# Altium PCB EEM_PWR_MOD_AC.pcbdoc
Units mm, origin at the board's own origin, x right, y up, seen from the top; angles counter-clockwise.
Board outline 187 x 100 mm, 2 copper layers (Top Layer, Bottom Layer), stack 1.62 mm thick; 80 components, 36 nets, 175 pads, 154 vias.
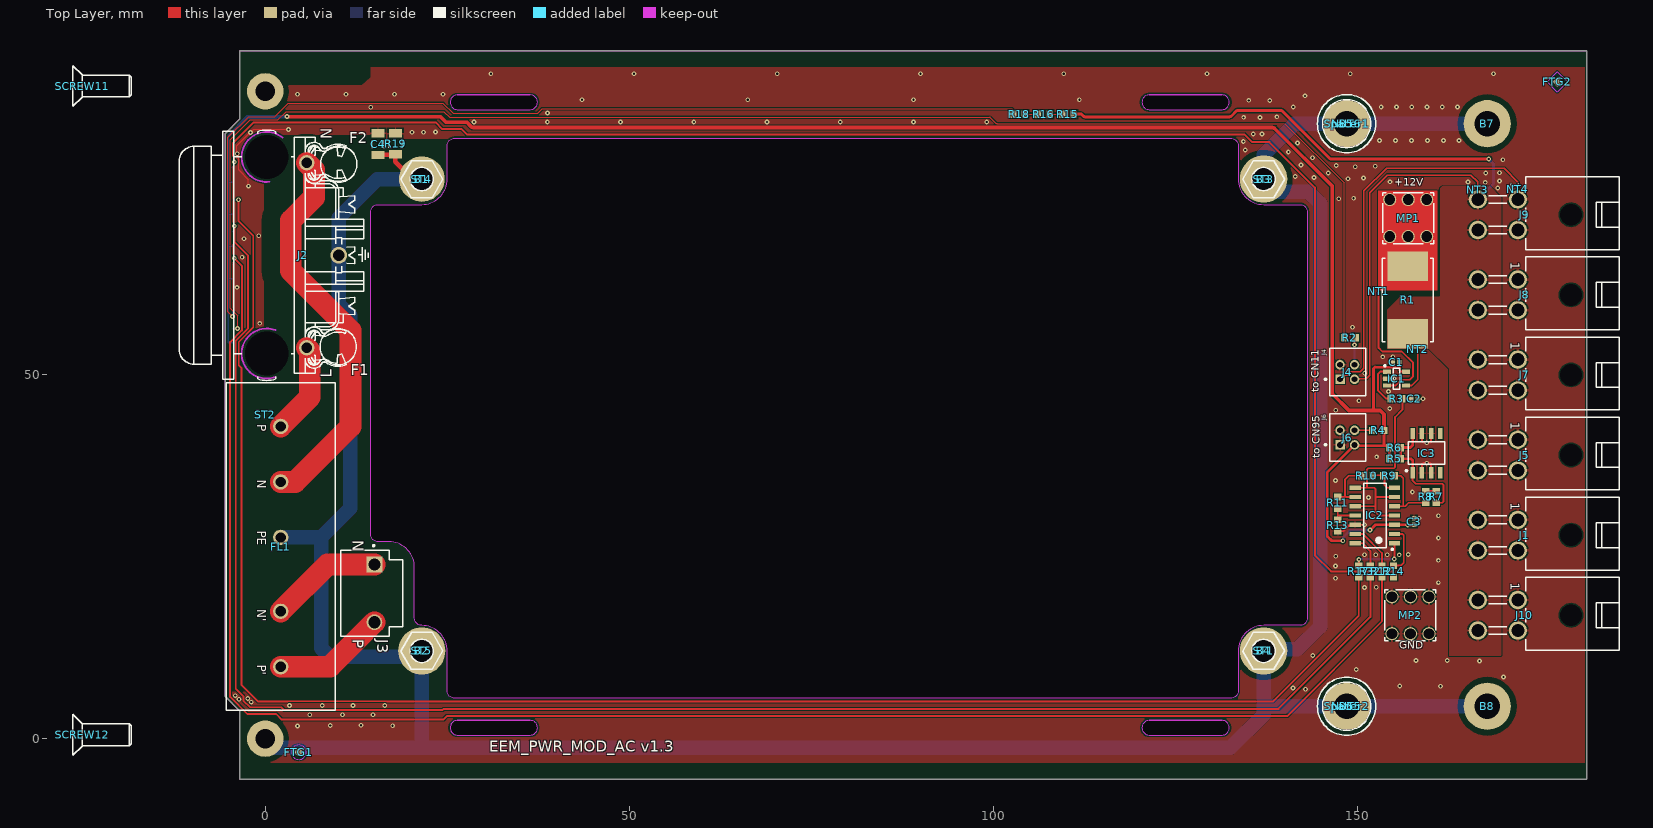
[diagram p0: Top Layer view]
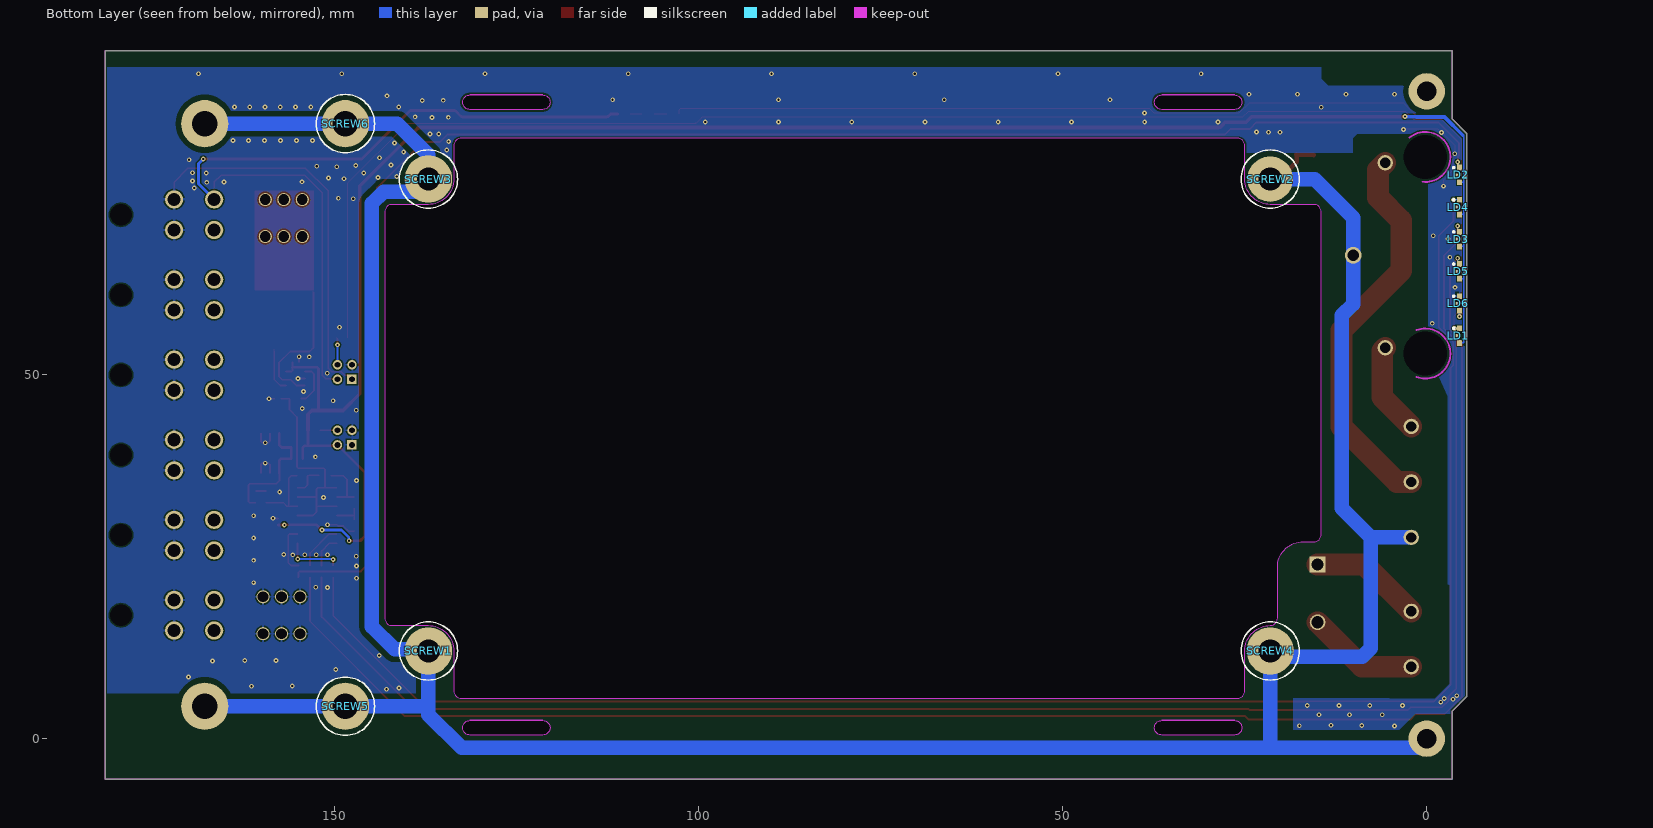
[diagram p1: Bottom Layer view, seen from below]
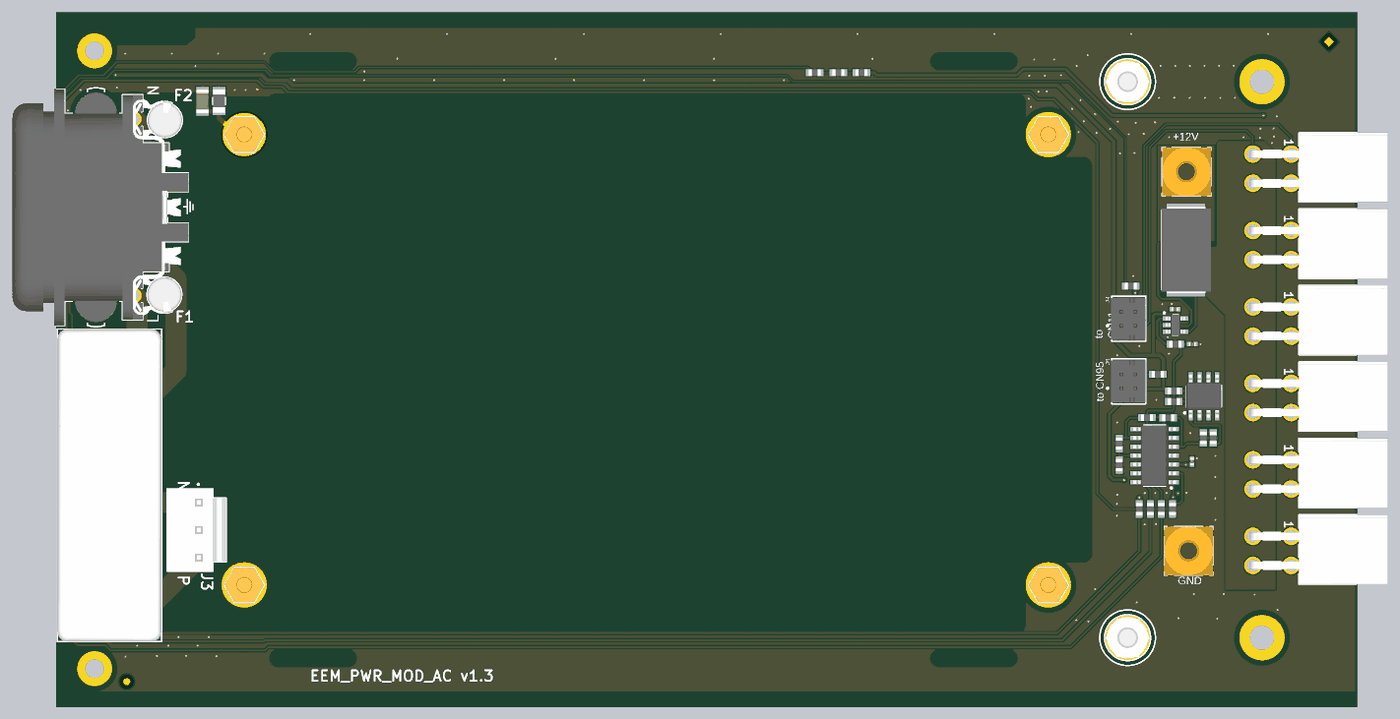
[diagram p2: 3D render of the assembled board from above, using the file's embedded part models]
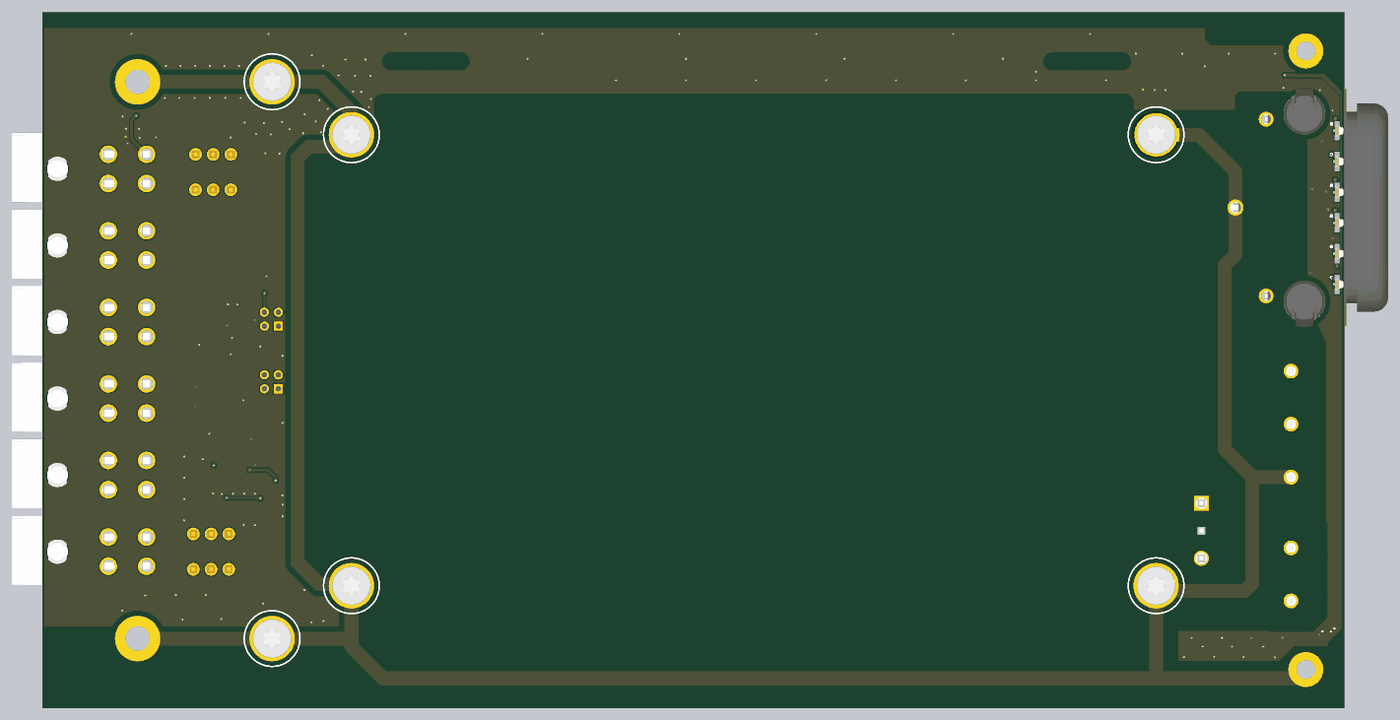
[diagram p3: 3D render of the assembled board from below, using the file's embedded part models]

## Layer stack, top to bottom
Top Solder: solder mask 0.01, Solder Resist, Dk 3.5
Top Layer: signal copper 0.035
Dielectric 6: core 1.55, FR-4, Dk 4.6
Bottom Layer: signal copper 0.035
Bottom Solder: solder mask 0.01, Solder Resist, Dk 3.5

## Board outline
-5.5,5.8 -5.5,83.1 -3.5,85.1 -3.5,94.45 181.5,94.45 181.5,-5.55 -3.5,-5.55 -3.5,3.8
cut-out: 121.4,0.5 131.4,0.5 ccw(c131.4,1.5) 132.4,1.5 ccw(c131.4,1.5) 131.4,2.5 121.4,2.5 ccw(c121.4,1.5) 120.4,1.5 ccw(c121.4,1.5)
cut-out: 26.4,0.5 36.4,0.5 ccw(c36.4,1.5) 37.4,1.5 ccw(c36.4,1.5) 36.4,2.5 26.4,2.5 ccw(c26.4,1.5) 25.4,1.5 ccw(c26.4,1.5)
cut-out: 120.4,87.4 ccw(c121.4,87.4) 121.4,86.4 131.4,86.4 ccw(c131.4,87.4) 132.4,87.4 ccw(c131.4,87.4) 131.4,88.4 121.4,88.4 ccw(c121.4,87.4)
cut-out: 26.4,86.4 36.4,86.4 ccw(c36.4,87.4) 37.4,87.4 ccw(c36.4,87.4) 36.4,88.4 26.4,88.4 ccw(c26.4,87.4) 25.4,87.4 ccw(c26.4,87.4)
cut-out: 20.5,16.549 20.5,23.549 ccw(c17,23.549) 17,27.049 15.5,27.049 cw(c15.5,28.049) 14.5,28.049 14.5,72.349 cw(c15.5,72.349) 15.5,73.349 21.5,73.349 ccw(c21.5,76.849) 25,76.849 25,81.449 cw(c26,81.449) 26,82.449 132.6,82.449 cw(c132.6,81.449) 133.6,81.449 133.6,76.849 ccw(c137.1,76.849) 137.1,73.349 142.1,73.349 cw(c142.1,72.349) 143.1,72.349 143.1,16.549 cw(c142.1,16.549) 142.1,15.549 137.1,15.549 ccw(c137.1,12.049) 133.6,12.049 133.6,6.549 cw(c132.6,6.549) 132.6,5.549 26,5.549 cw(c26,6.549) 25,6.549 25,12.049 ccw(c21.5,12.049) 21.5,15.549 cw(c21.5,16.549)

## Design rules (kind name [scope] priority, off if disabled: settings)
BoardOutlineClearance [All] p1: gap=0.3 ignorepadtopadclearanceinfootprint=FALSE
Clearance Clearance_AC [InNetClass('AC') vs NOT HasPad('J2-4') AND NOT HasPad('J2-5') AND NOT IsBoardCutoutRegion] p1: gap=2.5 ignorepadtopadclearanceinfootprint=FALSE except(1: Arc-Text Arc-Hole Track-Text Track-Hole SMDPad-Text SMDPad-Hole THPad-Text THPad-Hole Via-Text Via-Hole Fill-Text Fill-Hole Poly-Text Poly-Hole Region-Text Region-Hole Text-Text Text-Hole)
Clearance Clearance_PE [InNet('PE') OR InNet('PANEL') vs NOT IsBoardCutoutRegion] p2: gap=0.762 ignorepadtopadclearanceinfootprint=FALSE except(0: Arc-Text Arc-Hole Track-Text Track-Hole SMDPad-Text SMDPad-Hole THPad-Text THPad-Hole Via-Text Via-Hole Fill-Text Fill-Hole Poly-Text Poly-Hole Region-Text Region-Hole Text-Text Text-Hole)
Clearance Clearance_Poly [InPoly] p3: gap=0.18 ignorepadtopadclearanceinfootprint=FALSE
Clearance [All vs not HasFootprint('Net Tie')] p4: gap=0.15 ignorepadtopadclearanceinfootprint=FALSE except(0: Arc-Hole Track-Hole SMDPad-Hole THPad-Hole Via-Hole Fill-Hole Poly-Hole Region-Hole Text-Hole)
Clearance Clearance_NT [InComponent('NT*')] p5: gap=0 ignorepadtopadclearanceinfootprint=TRUE
ComponentClearance ComponentClearance_pressfit [HasCompParameterValue('PressFit','Yes') vs InComponent('No Component')] p1: gap=5 collisioncheckmode=3 verticalgap=0.254 showdistances=FALSE
ComponentClearance ComponentClearance_NM [InComponentClass('NotMounted')] p2: gap=0 collisioncheckmode=3 verticalgap=0 showdistances=FALSE
ComponentClearance ComponentClearance_Top [(not InComponentClass('Overlapping') and InComponentClass('Top Side Components')) vs InComponentClass('Top Side Components')] p3: gap=0 collisioncheckmode=3 verticalgap=2540 showdistances=FALSE
ComponentClearance Overlapping [InComponentClass('Overlapping') vs InComponentClass('Overlapping')] p4: gap=0 collisioncheckmode=3 verticalgap=0 showdistances=FALSE
DiffPairsRouting [All] p1: maxlimit=0.2 minlimit=0.2 mostfreqgap=0.2 toplayer_minwidth=0.1 toplayer_maxwidth=0.1 toplayer_prefwidth=0.1 bottomlayer_minwidth=0.1 bottomlayer_maxwidth=0.1 bottomlayer_prefwidth=0.1 maxuncoupledlength=50
FabricationTestPointUsage TestPointUsage [All] p1: valid=0 allowmultiple=FALSE
FabricationTestpoint Testpoint [All] p1: side=3 testpointundercomponent=TRUE minsize=1.016 maxsize=2.54 preferedsize=1.524 minholesize=0 maxholesize=1.016 preferedholesize=0.813 testpointgrid=0.025 allowsidetop=TRUE allowsidebottom=TRUE usegrid=TRUE gridtolerance=0
Height [All] p1: minheight=0 maxheight=35 prefheight=10
HoleSize [All] p1: absolutevalues=TRUE maxlimit=6 minlimit=0.2 maxpercent=80.000 minpercent=20.000
HoleToHoleClearance [All] p1: gap=0.2 allowstackedmicrovias=TRUE
Length "Length CPCIs2a + XS" [InNetClass('CPCIs2a') or InxSignalClass('CPCIs2 XS')] p1: maxlimit=126 minlimit=121
Length "Length CPCIs5a + XS" [InNetClass('CPCIs5a')    or InxSignalClass('CPCIs5 XS')] p2: maxlimit=155.1 minlimit=151
MatchedLengths DiffPair_gbtclkm2c_MatchedLengths [InDifferentialPair ('FMCGBTCLKM2C_C1') Or InDifferentialPair ('FMCGBTCLKM2C_C0')] p1: tolerance=5 checknetsindiffpair=FALSE checkdiffpairvsdiffpair=TRUE checkxsignals=TRUE checkothers=TRUE
MatchedLengths DiffPair_gbtxClockDes_MatchedLengths [InDifferentialPair ('GBTXCLOCKDES_N0') Or InDifferentialPair ('GBTXCLOCKDES_P0') Or InDifferentialPair ('GBTXCLOCKDES_N1') Or InDifferentialPair ('GBTXCLOCKDES_P1')Or InDifferentialPair ('GBTXCLOCKDES_N2') Or InDifferentialPair ('GBTXCLOCKDES_P2')Or InDifferentialPair ('GBTXCLOCKDES_N3') Or InDifferentialPair ('GBTXCLOCKDES_P3') Or InDifferentialPair ('GBTXCLOCKDES_N4') Or InDifferentialPair ('GBTXCLOCKDES_P4')] p2: tolerance=5 checknetsindiffpair=FALSE checkdiffpairvsdiffpair=TRUE checkxsignals=TRUE checkothers=TRUE
MatchedLengths DiffPair_Scout_ScclkMatchedLengths [InDifferentialPair ('GBTXELINKSSCCLK') Or InDifferentialPair ('GBTXELINKSSCOUT')] p3: tolerance=5 checknetsindiffpair=FALSE checkdiffpairvsdiffpair=TRUE checkxsignals=TRUE checkothers=TRUE
MinimumAnnularRing MinimumAnnularRing_Via [IsVia] p1: minimumring=0.12
MinimumAnnularRing [All] p2: minimumring=0.12
MinimumSolderMaskSliver [IsThruPin vs IsThruPin] p1: minsoldermaskwidth=0
NetAntennae [All] p1 off: netantennaetolerance=0
PermittedLayers [All] p1: toplayerpermitted=TRUE bottomlayerpermitted=FALSE
PlaneClearance PlaneClearance_ac [InNetClass('AC')] p1: clearance=2
PlaneClearance [All] p2: clearance=0.25
PlaneConnect PlaneConnect_ft_pcbm [InPadClass('ft_pcbm')] p1: planeconnectstyle=Relief reliefexpansion=0.25 reliefentries=4 reliefconductorwidth=0.2 reliefairgap=0.2
PlaneConnect PlaneConnect_Vias [IsVia or InPadClass('Direct')] p2: planeconnectstyle=Direct reliefexpansion=0.508 reliefentries=4 reliefconductorwidth=0.254 reliefairgap=0.254
PlaneConnect "PlaneConnect_0 > 0.5" [AsMM(HoleDiameter)<0.5] p3: planeconnectstyle=Relief reliefexpansion=0.3 reliefentries=4 reliefconductorwidth=0.2 reliefairgap=0.2
PlaneConnect "PlaneConnect_0.5 > 1" [(AsMM(HoleDiameter)>=0.5) and (AsMM(HoleDiameter)<1)] p4: planeconnectstyle=Relief reliefexpansion=0.3 reliefentries=4 reliefconductorwidth=0.25 reliefairgap=0.2
PlaneConnect "PlaneConnect_1 > 1.5" [(AsMM(HoleDiameter)>=1) and (AsMM(HoleDiameter)<1.5)] p5: planeconnectstyle=Relief reliefexpansion=0.3 reliefentries=4 reliefconductorwidth=0.3 reliefairgap=0.2
PlaneConnect "PlaneConnect_1.5 > 2" [(AsMM(HoleDiameter)>=1.5) and (AsMM(HoleDiameter)<2)] p6: planeconnectstyle=Relief reliefexpansion=0.3 reliefentries=4 reliefconductorwidth=0.4 reliefairgap=0.2
PlaneConnect [All] p7: planeconnectstyle=Relief reliefexpansion=0.3 reliefentries=4 reliefconductorwidth=0.5 reliefairgap=0.2
PolygonConnect PolygonConnect_PE_mounting_holes [(AsMM(HoleDiameter)=2.7) OR (AsMM(HoleDiameter)=3.2) OR (AsMM(HoleDiameter)=3.5)] p1: connectstyle=Direct reliefconductorwidth=0.4 reliefentries=4 polygonreliefangle="90 Angle" airgapwidth=0.2
PolygonConnect PolygonConnect_Vias [IsVia or InPadClass('Direct') or InNetClass('ESD_STRIP')] p2: connectstyle=Direct reliefconductorwidth=0.254 reliefentries=4 polygonreliefangle="90 Angle" airgapwidth=0.254
PolygonConnect "PolygonConnect_0 > 0.5" [AsMM(HoleDiameter)<0.5] p3: connectstyle=Relief reliefconductorwidth=0.2 reliefentries=4 polygonreliefangle="90 Angle" airgapwidth=0.2
PolygonConnect "PolygonConnect_0.5 > 1" [(AsMM(HoleDiameter)>=0.5) and (AsMM(HoleDiameter)<1)] p4: connectstyle=Relief reliefconductorwidth=0.25 reliefentries=4 polygonreliefangle="90 Angle" airgapwidth=0.2
PolygonConnect "PolygonConnect_1 > 1.5" [(AsMM(HoleDiameter)>=1) and (AsMM(HoleDiameter)<1.5)] p5: connectstyle=Relief reliefconductorwidth=0.3 reliefentries=4 polygonreliefangle="90 Angle" airgapwidth=0.2
PolygonConnect "PolygonConnect_1.5 > 2" [(AsMM(HoleDiameter)>=1.5) and (AsMM(HoleDiameter)<2)] p6: connectstyle=Relief reliefconductorwidth=0.4 reliefentries=4 polygonreliefangle="90 Angle" airgapwidth=0.2
PolygonConnect [All] p7: connectstyle=Relief reliefconductorwidth=0.5 reliefentries=4 polygonreliefangle="90 Angle" airgapwidth=0.2
RoomDefinition EEM_PWR_MOD_AC [InComponentClass('EEM_PWR_MOD_AC')] p1 off: confinementstyle=ConfineIn formatcopy=TRUE lockcomponents=FALSE outline 5.701,-5.438 14,-5.438 14,-2.05 5.701,-2.05
RoomDefinition Mechanics [InComponentClass('Mechanics')] p2 off: confinementstyle=ConfineIn formatcopy=TRUE lockcomponents=FALSE outline 133.5,90.45 144.628,90.45 144.628,94.45 133.5,94.45
RoutingVias [All] p1: holewidth=0.3 width=0.65 viastyle="Through Hole" minholewidth=0.2 minwidth=0.45 maxholewidth=1.016 maxwidth=1.27
ShortCircuit ShortCircuit_NT [InComponent('J34') or  InComponent('J31') or InComponent('J30') or InComponent('J29') or InComponent('J33') or InComponent('J26') vs InComponent('NT*')] p1: allowed=TRUE
ShortCircuit [All] p2: allowed=FALSE
SilkToSilkClearance [All] p1: silktosilkclearance=0.05
SilkToSolderMaskClearance SilkToSolderMaskClearance_PE [InComponent( 'B*', 'MP1', 'MP2')] p1: minsilkscreentomaskgap=0 clearancetoexposedcopper=TRUE
SilkToSolderMaskClearance [IsPad] p2: minsilkscreentomaskgap=0.08 clearancetoexposedcopper=TRUE
SolderMaskExpansion SolderMaskExpansion_VIA [IsVia] p1: expansion=0.102 istentingtop=TRUE
SolderMaskExpansion [All] p2: expansion=0 istentingtop=FALSE
ViasUnderSMD ViasUnderSMD_1 [HasFootprint ('CAPC0603X33N')   or HasFootprint ('RESC1005X40N')  or HasFootprint('CAPC1608X87N')   or HasFootprint('CAPC1005X55N')   or  HasFootprint('Net Tie')] p1: allowed=TRUE
ViasUnderSMD [not InComponentClass('Overlapping')] p2: allowed=FALSE
Width Width_PWR [InNetClass('Power')] p1: maxlimit=3 minlimit=0.254 preferedwidth=0.4 minimp=50.000000 maximp=50.000000 favimp=50.000000
Width [All] p2: maxlimit=3 minlimit=0.127 preferedwidth=0.127
16 further rules are at their usual default settings.

## Classes and differential pairs
component class Overlapping: B1 B2 B3 B4 B5 B6 B7 B8 F1 F2 J2 NUT5 NUT6 SCREW5 SCREW6 SCREW11 SCREW12 Spacer1 Spacer2 ST1 ST3 ST4 ST5
net class AC: NetFL1_N NetFL1_N' NetFL1_P NetFL1_P'
component class Mechanics: B1 B2 B3 B4 B5 B6 B7 B8 C4 FTG1 FTG2 NUT5 NUT6 R19 SCREW1 SCREW2 SCREW3 SCREW4 SCREW5 SCREW6 SCREW11 SCREW12 Spacer1 Spacer2 ST1 ST2 ST3 ST4 ST5
net class Power: P12V0 P12V0_SMPS
component class EEM_PWR_MOD_AC: C1 C2 C3 F1 F2 FL1 IC1 IC2 IC3 J1 J2 J3 J4 J5 J6 J7 J8 J9 J10 JP1 LD1 LD2 LD3 LD4 LD5 LD6 MP1 MP2 NT1 NT2 NT3 NT4 R1 R2 R3 R4 R5 R6 R7 R8 R9 R10 R11 R12 R13 R14 R15 R16 R17 R18 R32

## Components (designator, comment, footprint, x,y, rotation, side; value= is the part's Value field where it differs from the comment)
B1 "Plated Hole" MTG320_700#1 21.5,76.85 r0 top
B2 "Plated Hole" MTG320_700#2 21.5,12.05 r0 top
B3 "Plated Hole" MTG320_700#2 137.1,76.85 r0 top
B4 "Plated Hole" MTG320_700#2 137.1,12.05 r0 top
B5 "Plated Hole" MTG350_650 148.5,84.45 r0 top
B6 "Plated Hole" MTG350_650 148.5,4.455 r0 top
B7 "Plated Hole" MTG350_650 167.816,84.45 r0 top
B8 "Plated Hole" MTG350_650 167.816,4.45 r0 top
C1 "100nF" CAPC1005X55N 155.305,51.714 r0 top
C2 "100nF" CAPC1005X55N 157.798,46.688 r180 top
C3 "100nF" CAPC1005X55N 157.764,29.809 r270 top
C4 "1nF" CAPC3216X180N 15.497,81.648 r90 top
F1 "10A-250VAC" FUSE_5X20_GLASS_v 10.026,53.835 r0 top
F2 "10A-250VAC" FUSE_5X20_GLASS_v 10.1,78.92 r0 top locked
FL1 "1A/250VAC" "FIL_SCHAFFNER_FN 406" 2.125,26.378 r270 top
FTG1 "Use only in PCB" FIDUCIAL_TOP_C100-200 4.615,-1.866 r90 top
FTG2 "Use only in PCB" FIDUCIAL_TOP_S100-200 177.453,90.204 r90 top
IC1 "INA194AIDBVT" SOT95P280X145-5N 155.362,49.45 r0 top
IC2 "LM339AD" SOIC127P600X175-14N 152.38,30.652 r180 top
IC3 "TL431CD" SOIC127P600X175-8N 159.477,39.203 r90 top
J1 "Mini-Fit Jr.™" MOLEX_39-30-0040 169.272,27.95 r270 top locked
J2 "IEC" SCHURTER_GSF1.2202.31 0.2,66.386 r90 top locked
J3 "B3P-VH(LF)(SN) or  AMP-TE 1-1123723-3" JST-B3P-VH(LF)(SN)-3_V 13.75,19.95 r270 top
J4 "Header 4" HIROSE_DF11-4DP-2DSA 148.6,50.35 r90 top locked
J5 "Mini-Fit Jr.™" MOLEX_39-30-0040 169.272,38.95 r270 top locked
J6 "Header 4" HIROSE_DF11-4DP-2DSA 148.601,41.35 r90 top locked
J7 "Mini-Fit Jr.™" MOLEX_39-30-0040 169.272,49.95 r270 top locked
J8 "Mini-Fit Jr.™" MOLEX_39-30-0040 169.272,60.95 r270 top locked
J9 "Mini-Fit Jr.™" MOLEX_39-30-0040 169.272,71.95 r270 top locked
J10 "Mini-Fit Jr.™" MOLEX_39-30-0040 169.272,16.95 r270 top locked
LD1 "Red" LED_AVAGO_HSMC-C120 -4.491,55.356 r270 bottom
LD2 "Green" LED_AVAGO_HSME-C120 -4.491,77.416 r270 bottom
LD3 "Green" LED_AVAGO_HSME-C120 -4.491,68.592 r270 bottom
LD4 "Green" LED_AVAGO_HSME-C120 -4.491,73.004 r270 bottom
LD5 "Green" LED_AVAGO_HSME-C120 -4.491,64.18 r270 bottom
LD6 "Green" LED_AVAGO_HSME-C120 -4.491,59.768 r270 bottom
MP1 "M3x5mm" "7461057_for chemical surfaces" 156.962,71.49 r0 top
MP2 "M3x5mm" "7461057_for chemical surfaces" 157.264,16.95 r0 top
NT1 "Net Tie" "Net Tie" 152.901,61.311 r90 top net-tie
NT2 "Net Tie" "Net Tie" 158.268,53.324 r90 top net-tie
NT3 "Net Tie" "Net Tie" 166.487,75.532 r270 top net-tie
NT4 "Net Tie" "Net Tie" 172.033,75.543 r270 top net-tie
NUT5 "M3" BOSSARD_BN628-1241443_v 148.5,4.45 r0 top
NUT6 "M3" BOSSARD_BN628-1241443_v 148.5,84.46 r0 top
PWR1 "EPP-400-12" EPP-400-12 -30.329,133.371 r270 bottom
R1 "0R001" RESM11670X254N 156.895,60.243 r270 top
R2 "1k" RESC1608X55N 148.95,55.056 r180 top
R3 "10k" RESC1608X55N 155.362,46.688 r180 top
R4 "1k" RESC1608X55N 152.835,42.332 r0 top
R5 "1k" RESC1608X55N 155.146,38.437 r180 top
R6 "1k" RESC1608X55N 155.146,39.969 r180 top
R7 "10k" RESC1608X55N 160.801,33.192 r90 top
R8 "10k" RESC1608X55N 159.384,33.192 r270 top
R9 "10k" RESC1608X55N 154.326,36.099 r180 top
R10 "10k" RESC1608X55N 151.29,36.111 r180 top
R11 "10k" RESC1608X55N 147.292,32.392 r270 top
R12 "1k" RESC1608X55N 153.359,22.964 r270 top
R13 "10k" RESC1608X55N 147.292,29.288 r270 top
R14 "1k" RESC1608X55N 154.953,22.964 r270 top
R15 "1k" RESC1608X55N 110.241,85.762 r0 top
R16 "1k" RESC1608X55N 106.912,85.762 r0 top
R17 "1k" RESC1608X55N 150.166,22.962 r270 top
R18 "1k" RESC1608X55N 103.521,85.762 r0 top
R19 "1M" RESC3216X65N 17.891,81.681 r90 top
R32 "1k" RESC1608X55N 151.766,22.964 r270 top
SCREW1 "M3x6" BOSSARD_BN5687-3061605_v 137.1,12.05 r180 bottom
SCREW2 "M3x6" BOSSARD_BN5687-3061605_v 21.5,76.85 r180 bottom
SCREW3 "M3x6" BOSSARD_BN5687-3061605_v 137.1,76.85 r180 bottom
SCREW4 "M3x6" BOSSARD_BN5687-3061605_v 21.5,12.05 r180 bottom
SCREW5 "M3x12" BOSSARD_BN5687-3061609_v 148.5,4.455 r180 bottom
SCREW6 "M3x12" BOSSARD_BN5687-3061609_v 148.5,84.465 r180 bottom
SCREW11 "M3x8" OSSARD_M3X8/BN3327_h -25.141,89.624 r180 top
SCREW12 "M3x8" OSSARD_M3X8/BN3327_h -25.141,0.521 r180 top
Spacer1 "4mm" DREMEC_DR316/3.2X4 148.5,84.46 r90 top
Spacer2 "4mm" DREMEC_DR316/3.2X4 148.5,4.455 r90 top
ST1 "M3x28" ETTINGER-M3X28_05.13.281_REV 137.1,12.05 r0 top
ST2 "SCHROFF_PANEL_3U_8HP" "Schroff 30848430" 0,0 r0 top
ST3 "M3x28" ETTINGER-M3X28_05.13.281_REV 137.1,76.85 r0 top
ST4 "M3x28" ETTINGER-M3X28_05.13.281_REV 21.5,76.85 r0 top
ST5 "M3x28" ETTINGER-M3X28_05.13.281_REV 21.5,12.05 r0 top

## Footprints (in the part's own frame and the unit in brackets; to place one, negate y for a bottom-side part, rotate by r counter-clockwise, add the part's x,y. Pads: shape width x height; smd on the part's side, far side on the other; paste and mask are expansions set on the pad)
"7461057_for chemical surfaces" [mm] "WP-BUTR Bushes with two Rows Pin-Plate, M3, blind thr 6mm"
  round 1.8 hole 1.475: 1(-2.54,-2.54) 1(-2.54,2.54) 1(0,-2.54) 1(0,2.54) 1(2.54,-2.54) 1(2.54,2.54)
  silkscreen extent -3.5,-3.5 3.5,3.5, body extent -3.5,-3.5 3.5,3.5, height 6
BOSSARD_BN628-1241443_v [mm] "M3 Hexagon Nut ~0,8d, ISO 4032, DIN 934, Stainless Steel A2"
  silkscreen extent -4,-4 4,4, body extent -3.18,-2.75 3.18,2.75, height 7.9
BOSSARD_BN5687-3061605_v [mm] "M3 L=6mm Hexalobular Socket Pan Head Screw, Fully Threaded - Stainless Steel A2"
  silkscreen extent -4,-4 4,4, body extent -2.8,-2.8 2.8,2.8, height 2.4
BOSSARD_BN5687-3061609_v [mm] "M3 L=12mm Hexalobular Socket Pan Head Screw, Fully Threaded - Stainless Steel A2"
  silkscreen extent -4,-4 4,4, body extent -2.8,-2.8 2.8,2.8, height 2.4
CAPC1005X55N [mm] "Capacitor, Non-Polarized, Chip; 1.00mm L X 0.50mm W X 0.70mm H, IPC Medium Density"
  rect 0.62x0.62 smd: 1(-0.45,0) 2(0.45,0)
  body extent -0.52,-0.27 0.53,0.28, height 0.55
CAPC3216X180N [mm] "Chip Capacitor, Body 3.2x1.6mm, IPC Medium Density"
  rect 1.15x1.8 smd: 1(-1.5,0) 2(1.5,0)
  silkscreen extent -0.55,-0.8 0.55,0.8, body extent -1.7,-0.9 1.7,0.9, height 1.8
DREMEC_DR316/3.2X4 [mm] "Metric Female Unthreaded Round Brass Spacer/Pillar, Length 4mm, External Dia. 6mm, Internal Dia. 3.2mm"
  silkscreen extent -3.3,-3.3 3.3,3.3, body extent -3,-3 3,3, height 4
EPP-400-12 [mm]
  body extent 50.78,-173.17 126.98,-45.9, height 3.7
ETTINGER-M3X28_05.13.281_REV [mm] "M3x28 standoff"
  silkscreen extent -2.87,-2.54 2.91,2.54, body extent -3.61,-3.75 3.61,3.75, height 34.01
FIDUCIAL_TOP_C100-200 [mm] "Round Fiducial Target, Top Layer, 1.0mm, Top Solder 2.0mm, Keepout =2.0mm"
  round 1 smd paste-0.51 mask+0.5: FTG2(0,0)
  Top Layer keep-out circle w0.1: c0,0 r1
FIDUCIAL_TOP_S100-200 [mm] "Square Fiducial Target, Top Layer, 1.0mm, Top Solder 2.0mm, Keepout =2.0mm"
  rect 1x1 smd rot 45 paste-0.51 mask+0.5: 1(0,0)
  Top Layer keep-out region: 1.414,0 0,-1.414 -1.414,0 0,1.414
"FIL_SCHAFFNER_FN 406" [mm] "0.5 to 8.4A 250VAC Single Phase Ultra Compact EMC Filter (Body 45 x 15 x 28mm)"
  round 2.1 hole 1.4: N(-8.89,0) N'(8.89,0) P(-16.51,0) P'(16.51,0) PE(-1.27,0)
  silkscreen extent -22.5,-7.5 22.5,7.5, body extent -22.5,-7.55 22.5,7.54, height 29.5
FUSE_5X20_GLASS_v [mm] "Generic 5x20mm Cylindrical Glass Fuse (Vertical Mount)"
  silkscreen extent -2.5,-2.5 2.5,2.5, body extent -2.5,-2.5 2.5,2.5, height 22.5
HIROSE_DF11-4DP-2DSA [mm]
  rect 1.3x1.3 hole 0.8 paste-1000 mask+0: 1(-1,1)
  round 1.3 hole 0.8 paste-1000 mask+0: 2(-1,-1) 3(1,1) 4(1,-1)
  silkscreen extent -3.25,-2.5 3.25,3.12, body extent -3,-2.5 3,2.5, height 6.61